# Altium PCB 通讯转换模块-V6.PcbDoc (part 1 of 2) (continued)
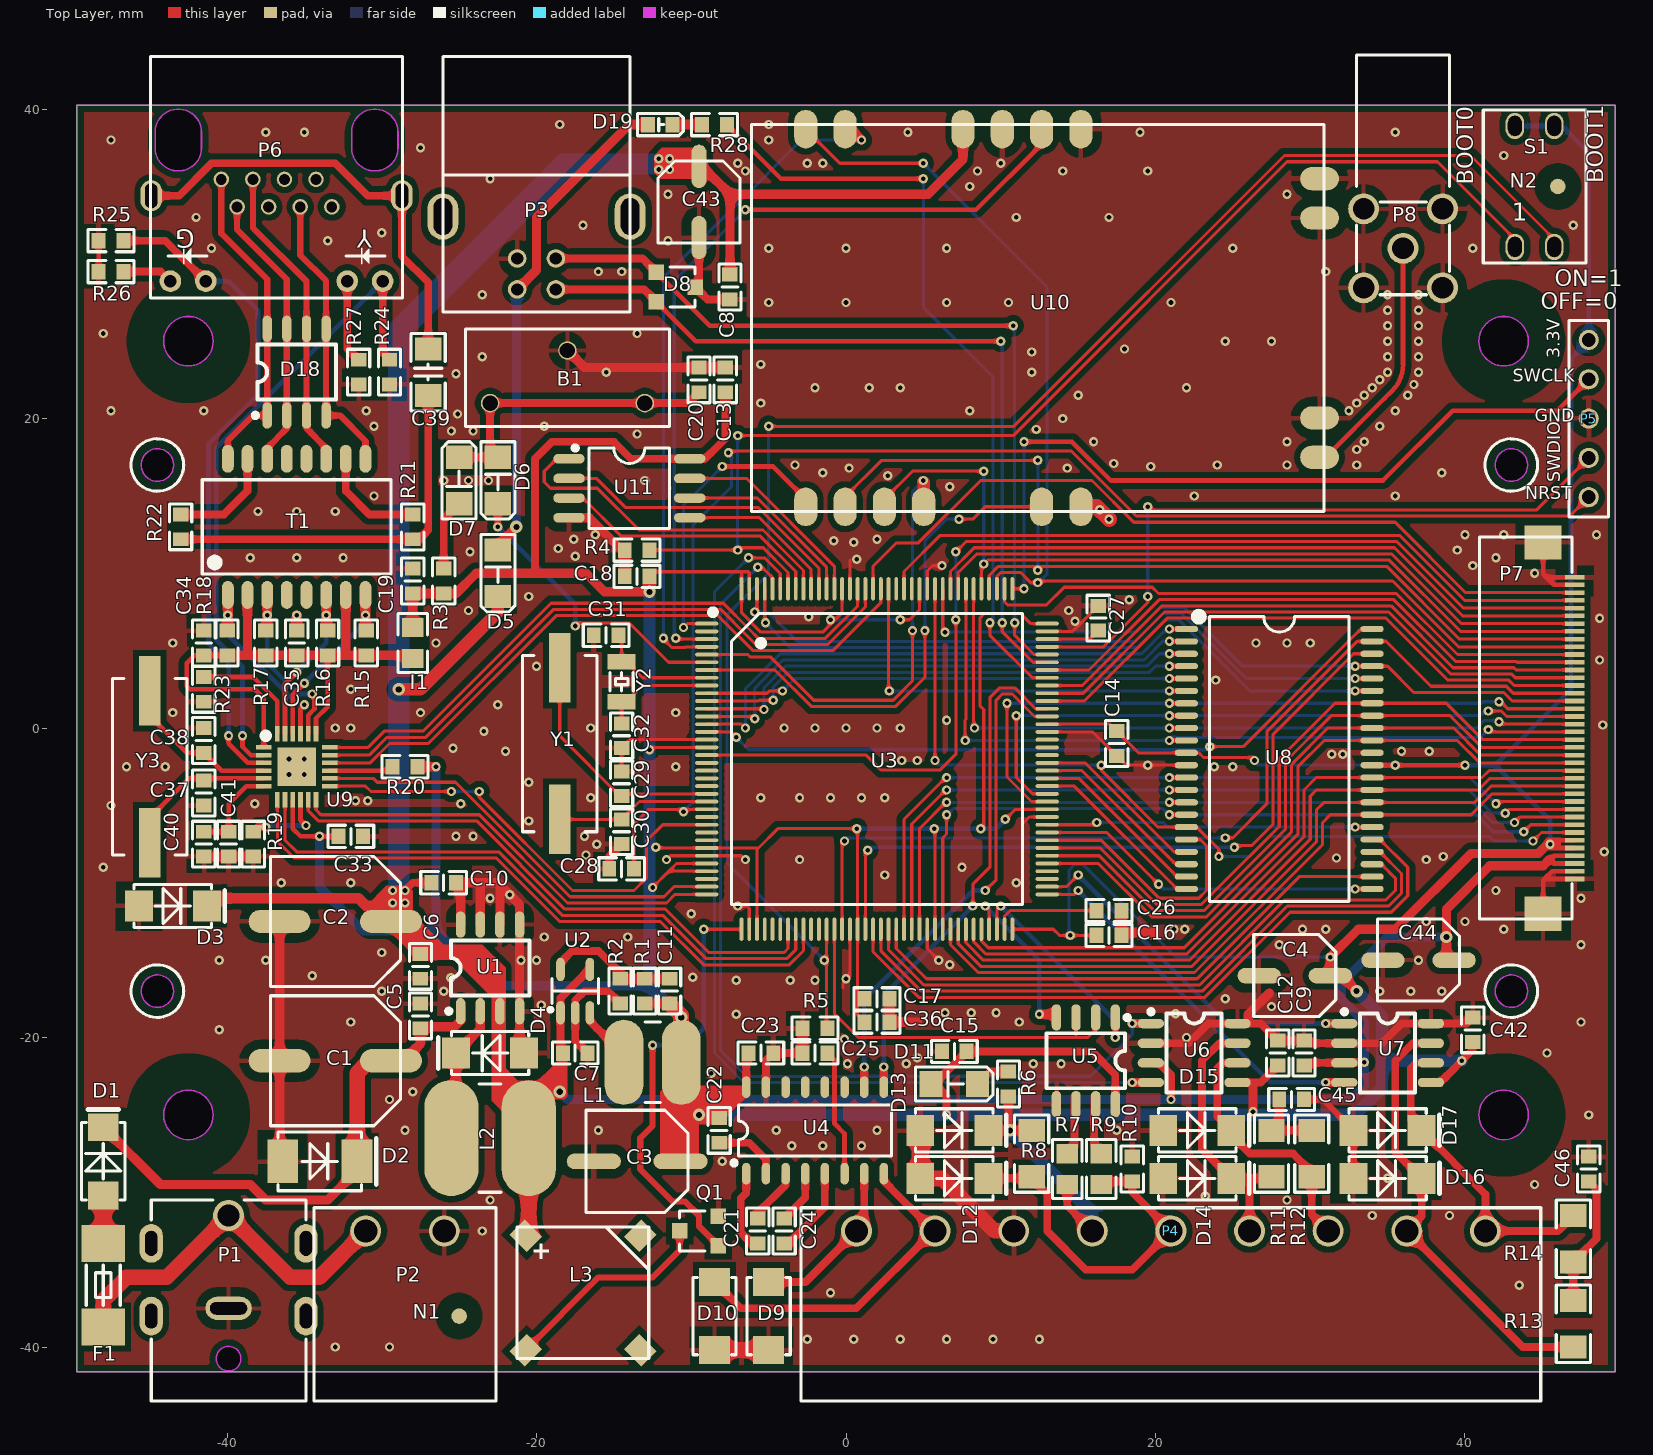
[diagram p0: Top Layer view]
## Footprints (in the part's own frame and the unit in brackets; to place one, negate y for a bottom-side part, rotate by r counter-clockwise, add the part's x,y. Pads: shape width x height; smd on the part's side, far side on the other; paste and mask are expansions set on the pad) (continued)
  oval 1.4x2 / inner oval 1.4x2 / far side oval 2x2.5 hole 0.8 slot 1.6 at 90 deg: 13(-8.1,3.6) 14(8.1,3.6)
  Keep-Out Layer board cut-out: 7.85,-0.5 7.85,0.5 7.701,1.151 7.285,1.673 6.684,1.962 6.016,1.962 5.415,1.673 4.999,1.151 4.85,0.5 4.85,0.5 4.85,-0.5 4.999,-1.151 5.415,-1.673 6.016,-1.962 6.684,-1.962 7.285,-1.673 7.701,-1.151 7.85,-0.5
  Keep-Out Layer board cut-out: -7.85,-0.5 -7.85,0.5 -7.701,1.151 -7.285,1.673 -6.684,1.962 -6.016,1.962 -5.415,1.673 -4.999,1.151 -4.85,0.5 -4.85,0.5 -4.85,-0.5 -4.999,-1.151 -5.415,-1.673 -6.016,-1.962 -6.684,-1.962 -7.285,-1.673 -7.701,-1.151 -7.85,-0.5
  Keep-Out Layer lines w0.1: 7.85,0.5 ccw(c6.35,0.5) 4.85,0.5 4.85,-0.5 ccw(c6.35,-0.5) 7.85,-0.5 7.85,0.5 ; -4.85,0.5 ccw(c-6.35,0.5) -7.85,0.5 -7.85,-0.5 ccw(c-6.35,-0.5) -4.85,-0.5 -4.85,0.5
  silkscreen extent -8.15,-5.4 8.15,10.2, body extent -8.75,-5.5 8.75,10.45, height 14.2
SMA [mm]
  rect 1.8x2 smd: 1(2.2,0) 2(-2.2,0)
  silkscreen extent -3.35,-1.4 2.5,1.4, body extent -2.75,-1.4 2.75,1.4, height 2.6
SMA-KWE [mm]
  round 2 hole 1.4: 1(0,0) 2(-2.55,-2.55) 2(-2.55,2.55) 2(2.55,-2.55) 2(2.55,2.55)
  silkscreen extent -3,-3 3,12.5, body extent -3.5,-3.5 3.5,11.6, height 9.86
SMA无极性 [mm]
  rect 1.8x2 smd: 1(-2.2,0) 2(2.2,0)
  silkscreen extent -2.5,-1.4 2.5,1.4, body extent -2.5,-1.35 2.5,1.35, height 2.2
SMB [mm]
  rect 2x2.8 smd: 1(2.4,0) 2(-2.4,0)
  silkscreen extent -3.65,-1.9 2.7,1.9, body extent -2.75,-1.95 2.75,1.95, height 2.45
SOIC-8-M [mil]
  oval 24x80 smd: 1(-75,-153.54) 2(-25,-153.54) 3(25,-153.54) 4(75,-153.54) 5(75,153.54) 6(25,153.54) 7(-25,153.54) 8(-75,153.54)
  silkscreen extent -108,-144 102,102, body extent -106,-165 106,165, height 91
SOP-8-N [mm]
  oval 0.61x1.7 smd: 1(-1.905,-2.8) 2(-0.635,-2.8) 3(0.635,-2.8) 4(1.905,-2.8) 5(1.905,2.8) 6(0.635,2.8) 7(-0.635,2.8) 8(-1.905,2.8)
  silkscreen extent -2.82,-2.94 2.54,1.78, body extent -2.45,-3 2.45,3, height 1.7
SOP-16-N [mm]
  oval 0.55x1.4 smd: 1(-4.445,-2.8) 2(-3.175,-2.8) 3(-1.905,-2.8) 4(-0.635,-2.8) 5(0.635,-2.8) 6(1.905,-2.8) 7(3.175,-2.8) 8(4.445,-2.8) 9(4.445,2.8) 10(3.175,2.8) 11(1.905,2.8) 12(0.635,2.8) 13(-0.635,2.8) 14(-1.905,2.8) 15(-3.175,2.8) 16(-4.445,2.8)
  silkscreen extent -5.38,-2.25 4.95,1.65, body extent -4.9,-2.9 4.9,2.9, height 1.75
SOT-23 [mm]
  rect 1x1 smd: 1(1.25,-0.95) 2(1.25,0.95) 3(-1.25,0)
  silkscreen extent -1.25,-1.3 0.38,1.3, body extent -1.4,-1.45 1.4,1.45, height 1.2
SOT-23-5-M [mm]
  oval 1.5x0.55 smd: 1(1.4,-0.95) 2(1.4,0) 3(1.4,0.95) 4(-1.4,0.95) 5(-1.4,-0.95)
  silkscreen extent -0.8,-1.7 1.3,1.5, body extent -1.4,-1.45 1.4,1.45, height 1.2
SW-红色拨码开关2P [mm]
  oval 1.2x1.7 / inner oval 1.2x1.7 / far side oval 1.6x2 hole 0.9 slot 1.3 at 90 deg: 1(-1.27,-3.91) 2(1.27,-3.91) 3(1.27,3.91) 4(-1.27,3.91)
  silkscreen extent -3.32,-4.95 3.32,4.95, body extent -3.3,-5.1 3.3,5.06, height 6.9
TQFP-144-L [mm]
  oval 0.25x1.5 smd: 1(-8.75,-11) 2(-8.25,-11) 3(-7.75,-11) 4(-7.25,-11) 5(-6.75,-11) 6(-6.25,-11) 7(-5.75,-11) 8(-5.25,-11) 9(-4.75,-11) 10(-4.25,-11) 11(-3.75,-11) 12(-3.25,-11) 13(-2.75,-11) 14(-2.25,-11) 15(-1.75,-11) 16(-1.25,-11) 17(-0.75,-11) 18(-0.25,-11) 19(0.25,-11) 20(0.75,-11) 21(1.25,-11) 22(1.75,-11) 23(2.25,-11) 24(2.75,-11) 25(3.25,-11) 26(3.75,-11) 27(4.25,-11) 28(4.75,-11) 29(5.25,-11) 30(5.75,-11) 31(6.25,-11) 32(6.75,-11) 33(7.25,-11) 34(7.75,-11) 35(8.25,-11) 36(8.75,-11) 73(8.75,11) 74(8.25,11) 75(7.75,11) 76(7.25,11) 77(6.75,11) 78(6.25,11) 79(5.75,11) 80(5.25,11) 81(4.75,11) 82(4.25,11) 83(3.75,11) 84(3.25,11) 85(2.75,11) 86(2.25,11) 87(1.75,11) 88(1.25,11) 89(0.75,11) 90(0.25,11) 91(-0.25,11) 92(-0.75,11) 93(-1.25,11) 94(-1.75,11) 95(-2.25,11) 96(-2.75,11) 97(-3.25,11) 98(-3.75,11) 99(-4.25,11) 100(-4.75,11) 101(-5.25,11) 102(-5.75,11) 103(-6.25,11) 104(-6.75,11) 105(-7.25,11) 106(-7.75,11) 107(-8.25,11) 108(-8.75,11)
  oval 1.5x0.25 smd: 37(11,-8.75) 38(11,-8.25) 39(11,-7.75) 40(11,-7.25) 41(11,-6.75) 42(11,-6.25) 43(11,-5.75) 44(11,-5.25) 45(11,-4.75) 46(11,-4.25) 47(11,-3.75) 48(11,-3.25) 49(11,-2.75) 50(11,-2.25) 51(11,-1.75) 52(11,-1.25) 53(11,-0.75) 54(11,-0.25) 55(11,0.25) 56(11,0.75) 57(11,1.25) 58(11,1.75) 59(11,2.25) 60(11,2.75) 61(11,3.25) 62(11,3.75) 63(11,4.25) 64(11,4.75) 65(11,5.25) 66(11,5.75) 67(11,6.25) 68(11,6.75) 69(11,7.25) 70(11,7.75) 71(11,8.25) 72(11,8.75) 109(-11,8.75) 110(-11,8.25) 111(-11,7.75) 112(-11,7.25) 113(-11,6.75) 114(-11,6.25) 115(-11,5.75) 116(-11,5.25) 117(-11,4.75) 118(-11,4.25) 119(-11,3.75) 120(-11,3.25) 121(-11,2.75) 122(-11,2.25) 123(-11,1.75) 124(-11,1.25) 125(-11,0.75) 126(-11,0.25) 127(-11,-0.25) 128(-11,-0.75) 129(-11,-1.25) 130(-11,-1.75) 131(-11,-2.25) 132(-11,-2.75) 133(-11,-3.25) 134(-11,-3.75) 135(-11,-4.25) 136(-11,-4.75) 137(-11,-5.25) 138(-11,-5.75) 139(-11,-6.25) 140(-11,-6.75) 141(-11,-7.25) 142(-11,-7.75) 143(-11,-8.25) 144(-11,-8.75)
  silkscreen extent -9.66,-10.78 9.4,9.4, body extent -11.01,-11.01 11.01,11.01, height 1.75
TSOP2-44-L [mm]
  oval 0.4x1.5 smd: 1(-8.401,-6) 2(-7.601,-6) 3(-6.801,-6) 4(-6.001,-6) 5(-5.201,-6) 6(-4.401,-6) 7(-3.6,-6) 8(-2.8,-6) 9(-2,-6) 10(-1.2,-6) 11(-0.4,-6) 12(0.4,-6) 13(1.2,-6) 14(2,-6) 15(2.8,-6) 16(3.6,-6) 17(4.401,-6) 18(5.201,-6) 19(6.001,-6) 20(6.801,-6) 21(7.601,-6) 22(8.401,-6) 23(8.401,6) 24(7.601,6) 25(6.801,6) 26(6.001,6) 27(5.201,6) 28(4.401,6) 29(3.6,6) 30(2.8,6) 31(2,6) 32(1.2,6) 33(0.4,6) 34(-0.4,6) 35(-1.2,6) 36(-2,6) 37(-2.8,6) 38(-3.6,6) 39(-4.401,6) 40(-5.201,6) 41(-6.001,6) 42(-6.801,6) 43(-7.601,6) 44(-8.401,6)
  silkscreen extent -9.7,-5.7 9.2,4.5, body extent -9.1,-5.87 9.1,5.88, height 1.3
USB1.1-插件-母座 [mm]
  round 1.2 / inner round 1.2 / far side round 1.5 hole 0.8: 1(-1.25,-2.355) 2(1.25,-2.355) 3(1.25,-0.355) 4(-1.25,-0.355)
  oval 2x3 / inner oval 2x3 / far side oval 2.5x3.5 hole 1.2 slot 2.4 at 90 deg: 5(-6.05,2.355) 5(6.05,2.355)
  silkscreen extent -6.05,-3.81 6.05,12.7, body extent -7.4,-3.81 7.4,12.69, height 11.2
"蜂鸣器 YH-8503-A" [mm]
  rect 1.6x1.4 smd rot 45: 1(-3.7,-3.7) 3(3.7,3.7)
  rect 1.6x1.4 smd rot 135: 2(3.7,-3.7) 4(-3.7,3.7)
  silkscreen extent -4.25,-4.25 4.25,4.25, body extent -4.25,-4.25 4.25,4.25, height 3
贴片固态电容5*5.3 [mm]
  oval 2.8x1 smd: 1(-2.3,0) 2(2.3,0)
  silkscreen extent -2.65,-2.65 2.65,2.65, body extent -2.95,-2.65 2.95,2.65, height 5.42
贴片固态电容6.3*7.7 [mm]
  oval 3.5x1 smd: 1(-2.8,0) 2(2.8,0)
  silkscreen extent -3.3,-3.3 3.3,3.3, body extent -3.5,-3.3 3.5,3.3, height 7.71
贴片固态电容8*10 [mm]
  oval 4x1.5 smd: 1(-3.6,0) 2(3.6,0)
  silkscreen extent -4.2,-4.2 4.2,4.2, body extent -4.95,-4.15 4.95,4.15, height 10.21

## Part data
B1: library part Battery1, "锂电池"
C1 C2 C3 C4 C43 C44: library part "Cap Pol1", "电解电容"
C5 C6 C7 C8 C9 C10 C11 C12 C13 C14 C15 C16 C17 C18 C19 C21 C22 C23 C24 C25 C39: library part Cap-0805, "0805"
C20 C26 C27 C28 C29 C30 C31 C32 C33 C34 C35 C36 C37 C38 C40 C41 C42 C45 C46: library part Cap-0603, "0805"
D1: "SMA"
D2 D3 D12 D13 D14 D15 D16 D17: library part TVS-1, "SMB"
D4 D5 D6 D7 D11: library part SS14, "SMA"
D8: library part ESDA5V3L, "ESD"
D9 D10: library part TVS-2, "SMB"
D19: library part LED-0603-Blue
F1: library part "Fuse 1", "Fuse"
I1: library part Inductance1
L1 L2: library part Inductance3
L3: "Electrical Bell"
N1 N2: library part 无引脚
P1: library part DC-007B
P2: library part "Header 2", "Header, 2-Pin"
P3: library part USB-4_A
P4: library part "Header 9", "Header, 9-Pin"
P5: library part "Header 5", "Header, 5-Pin"
P7: library part MHDR1X42
P8: library part 天线座
R1 R2 R3 R4 R5 R19 R20 R23 R24 R25 R26 R27 R28: library part Res2-0603, "0603"
R6 R7 R8 R9 R10 R11 R12 R13 R14 R15 R16 R17 R18: library part Res2, "Resistor"
R21 R22: library part Res2-0805, "0805"
U1: library part XL1509-ADJ, "开关电源 SOP-8"
U2: library part PAM2312, "开关电源 SOT-23-5"
U3: library part STM32F407ZET6
U5: library part MAX3082, "RS485总线转串口"
U9: "以太网PHY"
U10: "433模块"
U11: "SPI-FLASH"
Y1 Y2 Y3: library part 晶振

## Via types
v1: diameter 0.6, hole 0.3, Top Layer to Bottom Layer, tented both sides, 467 vias
v2: diameter 0.8, hole 0.4, Top Layer to Bottom Layer, tented both sides, 9 vias

## Nets (pads, with @x,y where several pads share a name; then routed paths per layer and width w, separated by ;. In a path a pad name is that pad's centre, name@x,y a point inside that pad or via, vN(x,y) a via of type N, cw(c..) or ccw(c..) an arc to the next point about the centre after c; other vN are vias at no path point)
1.2V: C40.2 C41.2 U9.6 | length 6.2
  Top Layer w0.3: C40.2@-41.5,-6.7 C41.2@-39.9,-6.7 -39.9,-4.9 -38.75,-3.75 U9.6@-37.625,-3.75
3.3V: C3.1 C4.1 C11.2 C12.2 C13.2 C14.2 C15.2 C16.2 C17.2 C18.2 C19.2 C22.2 C23.2 C33.2 C36.2 C42.2 D11.1 I1.2 L1.2 P5.1 P7.5 P7.6 R1.2 R3.2 R20.2 S1.3 S1.4 U3.17 U3.30 U3.32 U3.33 U3.39 U3.52 U3.62 U3.72 U3.84 U3.95 U3.108 U3.121 U3.131 U3.143 U3.144 U4.16 U5.8 U6.5 U7.5 U8.11 U8.33 U9.9 U11.8 | length 461
  Top Layer w0.2: v1(-12.7,-1.4) -12.55,-1.25 U3.17@-9,-1.25 ; C18.2@-12.7,9.8 -12.4,10.1 -6.3,10.1 -6.25,10.05 U3.143@-6.25,9 ; v1(-12.5,-10.3) -11.45,-9.25 ; v1@-12.35,-7.75 U3.30@-9,-7.75 -5.65,-7.75 -4.4,-6.5 v1(0.7,-6.5) 0.75,-6.55 U3.52@0.75,-13 0.75,-18.55 C36.2@1.2,-19 ; U3.33@-9,-9.25 -11.45,-9.25 ; U3.32@-9,-8.75 -10.95,-8.75 -11.45,-9.25 ; -6.75,10.05 U3.144@-6.75,9 -6.75,7.447 -6.747,7.447 -5.5,6.2 -1.5,6.2 -0.25,7.45 U3.131@-0.25,9 ; U3.39@-5.75,-13 -5.75,-7.85 ; v1(3.5,7) 4.1,7 4.75,7.65 U3.121@4.75,9 ; v1(5.7,-6.5) 5.75,-6.55 U3.62@5.75,-13 ; v1(8.7,-6.5) 8.9,-6.3 8.9,1.2 8.65,1.45 8.65,7.099 8.951,7.4 11.3,7.4 11.95,6.75 U3.108@13,6.75 ; v1(10.3,-5.9) 10.95,-5.25 U3.84@13,-5.25 ; U3.72@10.75,-13 13.4,-13 13.8,-13.4 v1(14.5,-13.4) C16.2@16.2,-13.4 ; U3.95@13,0.25 17.05,0.25 C14.2@17.5,-0.2 18.9,-1.6 U8.11@22,-1.6 22.8,-1.6 23.1,-1.9 26.2,-1.9 v1(26.4,-2.1)
  Top Layer w0.3: U9.9@-35.75,-4.625 -35.75,-6.5 -35.25,-7 v1(-34.025,-7) C33.2@-32.8,-7 ; U8.33@34,-2.4 v1(40,-2.4) ; P7.5@47.1,-7.75 45.75,-7.75 v1(45.5,-7.5) 45.75,-7.25 P7.6@47.1,-7.25
  Top Layer w0.5: -20.2,10 -20.1,10.1 -20.1,17.4 -19,18.5 -15,18.5 -13.905,17.405 U11.8@-10.1,17.405 -9.095,17.405 -7.8,18.7 C13.2@-7.8,21.7 ; R1.2@-13,-17.8 C11.2@-11.4,-17.8 ; L1.2@-10.65,-19.7 -10.65,-22 -10.65,-23.05 -8.5,-25.2 C22.2@-8.2,-25.2 -8.16,-25.2 -6.445,-23.485 U4.16@-6.445,-23.2 -6.445,-21.145 C23.2@-6.3,-21 ; v1(6.5,-24.992) 6.5,-23.8 5.7,-23 C15.2@7.8,-20.9 15.9,-20.9 17.405,-22.405 U5.8@17.405,-24.3 ; U6.5@25.3,-22.905 26.795,-22.905 C12.2@27.9,-21.8 ; U7.5@37.8,-22.905 38.395,-22.905 40.5,-20.8 C42.2@40.5,-20.3
  Top Layer w0.6: I1.2@-28,6.5 C19.2@-28,8.7 -25.2,8.7 -23.9,10 -20.2,10 -16.8,10 -15.6,8.8 v2(-12.7,8.8) ; R20.2@-27.7,-2.5 v1(-26.5,-2.5) ; v1(26.3,-24.8) 26.3,-23.1 ; v2(33,-17) 32,-16 C4.1@31.3,-16 v1(31.3,-14.8) 33.1,-13 35.5,-13 40.4,-8.1 44.731,-8.1 45.331,-7.5 v1(45.5,-7.5)
  Top Layer w0.8: v2(-12.7,8.8) C18.2@-12.7,9.8
  Top Layer w1: C11.2@-11.4,-17.8 -10.65,-18.55 v2(-10.65,-18.7) L1.2@-10.65,-19.7 ; L1.2@-10.65,-24.25 L1.2@-10.65,-23.05
  Bottom Layer w0.2: v1(-1,7) v1(3.5,7) ; v1(14.5,-13.4) 14.4,-13.3 14.4,-9.2 14.8,-8.8 15.3,-8.8 21.3,-14.8 v1(31.3,-14.8) ; v1(26.4,-2.1) 26.7,-2.4 v1(35.5,-2.4)
  Bottom Layer w0.3: v1(0.7,-6.5) v1(5.7,-6.5) 9.7,-6.5 v1(10.3,-5.9) ; v1(40,-2.4) 41.95,-2.4 ; S1.4@43.73,38.91 46.27,38.91 48,37.18 P5.1@48,25.08 48,25 46.85,23.85 46.85,2.5 41.95,-2.4 ; v1(45.5,-7.5) 45.5,-5.95 41.95,-2.4
  Bottom Layer w0.6: v1(-34.025,-7) -34.025,-10.275 -31.2,-13.1 -26.5,-13.1 ; v1(-26.5,-2.5) -26.5,-13.1 ; -12.7,-16.65 -22.95,-16.65 -26.5,-13.1
  Bottom Layer w0.8: v2(-12.7,8.8) v1(-12.7,-1.4) -12.7,-16.65 v2(-10.65,-18.7) ; v2(-9.5,-25) 32.9,-25 34.635,-23.265 34.635,-21.5 ; v2(33,-17) 34.635,-18.635 34.635,-21.5 ; v1(39.8,-21.5) 34.635,-21.5
  other v1: -12.3,-7.7
5V: C2.1 C6.2 C7.2 C8.2 C9.2 C10.2 C43.1 C44.1 D3.2 D5.2 L2.2 L3.1 P7.3 P7.4 U1.3 U2.1 U2.4 U6.3 U7.3 U10.13 | length 175
  Top Layer w0.3: P7.3@47.1,-8.75 45.75,-8.75 45.5,-8.5 45.75,-8.25 P7.4@47.1,-8.25
  Top Layer w0.5: v1(-28.5,-10.5) -28,-10 C10.2@-26.8,-10 ; C7.2@-18.3,-21 -18.45,-20.85 U2.1@-18.45,-18.4 -18.45,-17.45 -16.6,-15.6 U2.4@-16.55,-15.6 ; U6.3@19.7,-21.635 20.235,-21.635 21,-22.4 v1(21,-24) ; C9.2@29.6,-21.8 29.765,-21.635 U7.3@32.2,-21.635 32.235,-21.6 v1(33.5,-21.6)
  Top Layer w0.6: C2.1@-29.4,-12.5 -29.4,-12.8 -27.5,-14.7 -24.2,-14.7 -22.365,-16.535 U1.3@-22.365,-18.3 -22.365,-22.635 L2.2@-20.5,-24.5 ; L2.2@-20.5,-26.5 -20.5,-25.5 L2.2@-20.5,-24.5 ; C7.2@-18.3,-21 -18.3,-21.6 -20.5,-23.8 L2.2@-20.5,-24.5 ; C43.1@-9.5,36.3 -9.3,36.3 -7.5,34.5 ; C8.2@-7.5,29.3 -7.5,34.5 ; U10.13@7.56,38.7 7.56,36.76 5.3,34.5 -7.5,34.5 ; C44.1@38.8,-15 38.8,-11.7 41.6,-8.9 45.063,-8.9 45.463,-8.5 45.5,-8.5
  Top Layer w0.7: D3.2@-41.3,-11.5 -40.8,-11 -31.5,-11 -31,-11.5 -30.5,-11.5
  Top Layer w0.8: v2(-28.9,2.5) -27.5,2.5 -22.5,7.5 D5.2@-22.5,8.5
  Top Layer w1: L3.1@-20.7,-32.8 -20.5,-32.6 L2.2@-20.5,-26.5
  Bottom Layer w0.6: v2(-18.5,-23.5) -18,-24 v1(21,-24) 32.627,-24 33.5,-23.127 v1(33.5,-21.6) 33.5,-19 32,-17.5 32,-16.5 35,-13.5 v2(38.8,-13.5)
  other v1: -29.3,-11.3 -28.5,-11.3 -29.3,-10.5 -12.1,36.1 -11.4,36.1 -12.1,36.8 -11.4,36.8
485-A: D13.2 P4.4 R6.2 R7.1 R8.1 | length 17.4
  Top Layer w0.5: D13.2@9.2,-26 v2(10.6,-26) ; R6.2@10.5,-23.8 10.5,-25.9 v2(10.6,-26) ; R8.1@12,-26 v2(10.6,-26) ; R7.1@14.3,-29.5 14.3,-30.88 P4.4@15.92,-32.5
  Bottom Layer w0.8: v2(10.6,-26) 15.92,-31.32 P4.4@15.92,-32.5
485-B: D12.2 P4.5 R8.2 R9.1 R10.2 | length 23.1
  Top Layer w0.5: D12.2@9.2,-29.1 11.9,-29.1 R8.2@12,-29 12,-29.1 13,-30.1 13,-32.5 15.5,-35 18.5,-35 P4.5@21,-32.5 18.5,-30 R10.2@18.5,-29.3 16.7,-29.3 R9.1@16.5,-29.5
485-RE/DE: U3.49 U5.2 U5.3 | length 25.2
  Top Layer w0.2: U3.49@-0.75,-13 -0.75,-18.45 0.8,-20 15.622,-20 16.135,-19.487 U5.2@16.135,-18.7 ; 14.865,-19.935 U5.3@14.865,-18.7
485-RXD: U3.70 U5.1 | length 14.5
  Top Layer w0.2: U3.70@9.75,-13 9.75,-11.75 v1(10,-11.5)
  Top Layer w0.3: v1(17.405,-19.995) U5.1@17.405,-18.7
  Bottom Layer w0.3: v1(10,-11.5) 17.405,-18.905 v1(17.405,-19.995)
485-TXD: U3.69 U5.4 | length 11.2
  Top Layer w0.2: v1(9,-11.5) 9.25,-11.75 U3.69@9.25,-13
  Top Layer w0.6: v1(12.5,-18.5) 13.395,-18.5 U5.4@13.595,-18.7
  Bottom Layer w0.3: v1(9,-11.5) 12.5,-15 v1(12.5,-18.5)
BOOT0: R4.2 S1.1 U3.138 | length 78.5
  Top Layer w0.2: R4.2@-12.7,11.5 v1(-7,11.5) -6.849,11.651 -5.349,11.651 -3.75,10.053 U3.138@-3.75,9 ; v1(-7,18.9) 10.8,18.9 28.5,36.6 38.22,36.6 S1.1@43.73,31.09
  Bottom Layer w0.2: v1(-7,11.5) v1(-7,18.9)
BOOT1: R5.2 S1.2 U3.48 | length 105.6
  Top Layer w0.2: v1(-5,19.5) 10.834,19.5 28.334,37 40.36,37 S1.2@46.27,31.09 ; U3.48@-1.25,-13 -1.25,-19.35 R5.2@-1.2,-19.4
  Bottom Layer w0.2: v1(-5,19.5) -5,10 -7.7,7.3 -7.7,-8.7 v1(-1.4,-15)
CAN1-H: D14.2 P4.6 R11.1 U6.7 | length 17
  Top Layer w0.5: U6.7@25.3,-20.365 24.135,-20.365 23,-21.5 23,-27.2 D14.2@24.9,-29.1 27.4,-29.1 R11.1@27.5,-29 ; P4.6@26.08,-32.5 26.08,-29.32
CAN1-L: D15.2 P4.7 R12.2 U6.6 | length 16.6
  Top Layer w0.5: U6.6@25.3,-21.635 24.365,-21.635 24,-22 24,-25.1 D15.2@24.9,-26 24.9,-26.3 26.1,-27.5 28.9,-27.5 30.1,-28.7 R12.2@30.1,-29 30.1,-31.44 P4.7@31.16,-32.5
CAN1-RXD: U3.139 U6.4 | length 65.4
  Top Layer w0.2: v1(-6.3,11) -5.263,11 -4.25,9.987 U3.139@-4.25,9
  Top Layer w0.6: v1(18.5,-22.905) U6.4@19.7,-22.905
  Bottom Layer w0.2: v1(-6.3,11) -8.5,8.8 -8.5,-21 -6.595,-22.905 v1(18.5,-22.905)
CAN1-TXD: U3.140 U6.1 | length 64.4
  Top Layer w0.2: v1(-5.7,10.4) -5.424,10.4 -4.75,9.726 U3.140@-4.75,9
  Top Layer w0.6: v1(18.5,-19.095) U6.1@19.7,-19.095
  Bottom Layer w0.2: v1(-5.7,10.4) -8.1,8 -8.1,-20.834 -6.429,-22.505 0.295,-22.505 0.3,-22.5 15.8,-22.5 18.5,-19.8 v1@18.5,-19.2
CAN2-H: D16.2 P4.8 R13.1 U7.7 | length 28.7
  Top Layer w0.5: U7.7@37.8,-20.365 36.635,-20.365 35.5,-21.5 35.5,-27.4 D16.2@37.2,-29.1 37.2,-31.54 P4.8@36.24,-32.5 43.74,-40 R13.1@47,-40
CAN2-L: D17.2 P4.9 R14.2 U7.6 | length 20
  Top Layer w0.5: U7.6@37.8,-21.635 36.865,-21.635 36.5,-22 36.5,-25.3 D17.2@37.2,-26 41.32,-30.12 P4.9@41.32,-32.5 46,-32.5 R14.2@47,-31.5
CAN2-RXD: U3.73 U7.4 | length 24.4
  Top Layer w0.2: U3.73@13,-10.75 14.75,-10.75 v1(15,-10.5) ; U7.4@31.995,-22.905 U7.4@32.2,-22.905
  Top Layer w0.6: v1(31,-22.9) 31.005,-22.905 U7.4@31.995,-22.905
  Bottom Layer w0.3: v1(15,-10.5) 27.4,-22.9 v1(31,-22.9)
CAN2-TXD: U3.74 U7.1 | length 23.5
  Top Layer w0.2: U3.74@13,-10.25 14.25,-10.25 v1(15,-9.5) ; U7.1@31.995,-19.095 U7.1@32.2,-19.095
  Top Layer w0.6: v1(31,-19.09) 31.005,-19.095 U7.1@31.995,-19.095
  Bottom Layer w0.3: v1(15,-9.5) 24.59,-19.09 v1(31,-19.09)
CSR_DV: U3.43 U9.11 | length 36.9
  Top Layer w0.2: U9.11@-34.7,-4.675 U9.11@-34.75,-4.625 -34.75,-5.35 -34.1,-6 -23.869,-6 -18.169,-11.7 -11.669,-11.7 -8.869,-14.5 -4,-14.5 -3.75,-14.25 U3.43@-3.75,-13
ENP: U3.3 U10.15 | length 53
  Top Layer w0.2: v1(-11,5.8) -10.95,5.75 U3.3@-9,5.75
  Top Layer w0.3: v1(-6.5,33.5) 8.4,33.5 12.64,37.74 U10.15@12.64,38.2
  Bottom Layer w0.2: v1(-11,5.8) -11.1,5.9 -11.1,28.9 v1(-6.5,33.5)
ENT: U3.1 U10.8 | length 19.8
  Top Layer w0.2: v1(-10.5,6.5) -10.25,6.75 U3.1@-9,6.75
  Top Layer w0.3: v1(-8,16.9) -4.7,16.9 -2.6,14.8 U10.8@-2.6,14.3
  Bottom Layer w0.2: v1(-10.5,6.5) -10.5,14.4 v1(-8,16.9)
FSMC-A0: U3.10 U8.5 | length 31.4
  Top Layer w0.2: U3.10@-9,2.25 -5.099,2.25 -4.948,2.401 v1(-4.099,2.401) ; v1(20.9,3.201) U8.5@22,3.201
  Bottom Layer w0.2: v1(-4.099,2.401) -3.299,3.201 5.157,3.201 ; 5.157,3.2 v1(20.9,3.201)
FSMC-A1: U3.11 U8.4 | length 32.4
  Top Layer w0.2: U3.11@-9,1.75 -5.65,1.75 -5.6,1.8 v1(-4.7,1.8) ; v1(20.9,4.001) U8.4@22,4.001
  Bottom Layer w0.2: v1(-4.7,1.8) -4.7,2.649 -3.748,3.601 5.322,3.601 ; 5.323,3.6 19.599,3.6 20,4.001 v1(20.9,4.001)
FSMC-A2: U3.12 U8.3 | length 33.3
  Top Layer w0.2: U3.12@-9,1.25 -5.35,1.25 v1(-5.3,1.2) ; v1(20.9,4.801) U8.3@22,4.801
  Bottom Layer w0.2: v1(-5.3,1.2) -5.3,2.614 -3.914,4.001 5.488,4.001 ; 5.489,4 19.434,4 20.234,4.801 v1(20.9,4.801)
FSMC-A3: U3.13 U8.2 | length 34.3
  Top Layer w0.2: U3.13@-9,0.75 -6.05,0.75 v1(-5.9,0.6) ; v1(20.9,5.601) U8.2@22,5.601
  Bottom Layer w0.2: v1(-5.9,0.6) -5.9,2.58 -4.079,4.401 5.654,4.401 ; 5.654,4.4 19.268,4.4 20.469,5.601 v1(20.9,5.601)
FSMC-A4: U3.14 U8.1 | length 35.2
  Top Layer w0.2: U3.14@-9,0.25 -6.75,0.25 v1(-6.5,0) ; v1(20.9,6.401) U8.1@22,6.401
  Bottom Layer w0.2: v1(-6.5,0) -6.5,2.546 -4.245,4.801 5.819,4.801 ; 5.82,4.8 19.102,4.8 20.703,6.401 v1(20.9,6.401)
FSMC-A5: U3.15 U8.44 | length 46.7
  Top Layer w0.2: U3.15@-9,-0.25 -7.45,-0.25 v1(-7.1,-0.6) ; v1(23.5,-1.2) 25.669,-1.2 33.27,6.401 U8.44@34,6.401
  Bottom Layer w0.2: v1(-7.1,-0.6) -6.3,-1.4 8.049,-1.4 ; 8.049,-1.4 23.3,-1.4 v1(23.5,-1.2)
FSMC-A6: P7.25 U3.50 U8.43 | length 62
  Top Layer w0.2: U3.50@-0.25,-13 v1@-0.25,-7.45 ; v1(24.5,-7.1) 25,-7.1 27.2,-4.9 27.2,-0.234 33.035,5.601 U8.43@34,5.601 34.899,5.601 37.8,2.7 42.666,2.7 43.116,2.25 P7.25@47.1,2.25
  Bottom Layer w0.2: v1@0,-7.1 v1(24.5,-7.1)
  other v1: -0.1,-7.3
FSMC-A7: U3.53 U8.42 | length 46.2
  Top Layer w0.2: U3.53@1.25,-13 v1@1.25,-8.05 ; v1@25.1,-7.6 26.2,-7.6 27.6,-6.2 27.6,-0.4 32.801,4.801 U8.42@34,4.801
  Bottom Layer w0.2: v1@1.3,-7.7 v1(25.1,-7.7)
  other v1: 1.4,-7.9
FSMC-A8: U3.54 U8.27 | length 44.8
  Top Layer w0.2: U3.54@1.75,-13 1.75,-14.447 4.703,-17.4 23.188,-17.4 28.688,-11.9 35.231,-11.9 36.3,-10.831 36.3,-9 34.501,-7.201 U8.27@34,-7.201
FSMC-A9: U3.55 U8.26 | length 42.5
  Top Layer w0.2: U3.55@2.25,-13 2.25,-14.381 4.869,-17 23.023,-17 28.523,-11.5 35.066,-11.5 35.9,-10.666 35.9,-9.4 34.501,-8.001 U8.26@34,-8.001
FSMC-A10: U3.56 U8.25 | length 40.2
  Top Layer w0.2: U3.56@2.75,-13 2.75,-14.316 5.034,-16.6 22.857,-16.6 28.357,-11.1 34.9,-11.1 35.5,-10.5 35.5,-9.7 34.601,-8.801 U8.25@34,-8.801
FSMC-A11: U3.57 U8.24 | length 35.5
  Top Layer w0.2: U3.57@3.25,-13 3.25,-14.25 5.2,-16.2 22.691,-16.2 29.29,-9.601 U8.24@34,-9.601
FSMC-A12: U3.87 U8.22 | length 11.8
  Top Layer w0.2: U3.87@13,-3.75 14.75,-3.75 21.401,-10.401 U8.22@22,-10.401
FSMC-A13: U3.88 U8.21 | length 11.6
  Top Layer w0.2: U3.88@13,-3.25 15.05,-3.25 21.401,-9.601 U8.21@22,-9.601
FSMC-A14: U3.89 U8.20 | length 11.5
  Top Layer w0.2: U3.89@13,-2.75 15.25,-2.75 21.301,-8.801 U8.20@22,-8.801
FSMC-A15: U3.90 U8.19 | length 11.4
  Top Layer w0.2: U3.90@13,-2.25 15.45,-2.25 21.201,-8.001 U8.19@22,-8.001
FSMC-A16: U3.80 U8.18 | length 16.4
  Top Layer w0.2: U3.80@13,-7.25 16.501,-7.25 20.251,-11 22.8,-11 23.3,-10.5 23.3,-7.6 22.901,-7.201 U8.18@22,-7.201
FSMC-A17: U3.81 U8.23 | length 22.5
  Top Layer w0.2: U3.81@13,-6.75 16.85,-6.75 v1(20.2,-10.1) ; v1(32.9,-10.401) U8.23@34,-10.401
  Bottom Layer w0.2: v1(20.2,-10.1) 20.5,-10.4 v1(32.9,-10.401) v1(32.9,-10.401)
FSMC-A18: U3.82 U8.28 | length 21.1
  Top Layer w0.2: U3.82@13,-6.25 v1@16.2,-6.25 ; v1(32.9,-6.401) U8.28@34,-6.401
  Bottom Layer w0.2: v1(16.2,-6.1) 20.5,-6.1 20.801,-6.401 v1(32.9,-6.401)
FSMC-D0: P7.23 U3.85 U8.7 | length 46
  Top Layer w0.2: v1(10.4,1.6) 10.4,-3.166 11.984,-4.75 U3.85@13,-4.75 ; v1(20.9,1.6) U8.7@22,1.6 ; v1(42.2,1.7) 42.314,1.7 42.764,1.25 P7.23@47.1,1.25
  Bottom Layer w0.2: v1(10.4,1.6) v1(20.9,1.6) 41.05,1.6 41.15,1.7 v1(42.2,1.7)
FSMC-D1: P7.22 U3.86 U8.8 | length 43.8
  Top Layer w0.2: v1(11,0.8) 11,-3.2 12.05,-4.25 U3.86@13,-4.25 ; v1(20.9,0.8) U8.8@22,0.8 ; v1(41.5,1.1) 42.349,1.1 42.699,0.75 P7.22@47.1,0.75
  Bottom Layer w0.2: v1@11.1,0.8 v1(20.9,0.8) 40.986,0.8 41.286,1.1 v1(41.5,1.1)
FSMC-D2: P7.21 U3.114 U8.9 | length 49.2
  Top Layer w0.2: U3.114@8.25,9 8.25,0.05 v1(8.3,0) ; v1(20.9,0) U8.9@22,0 ; v1(42.2,0.4) 42.35,0.25 P7.21@47.1,0.25
  Bottom Layer w0.2: v1(8.3,0) v1(20.9,0) 40.752,0 41.251,0.5 42.1,0.5 v1(42.2,0.4)
FSMC-D3: P7.20 U3.115 U8.10 | length 50.7
  Top Layer w0.2: v1(7.7,-0.8) 7.7,0.5 7.75,0.55 U3.115@7.75,9 ; v1(20.9,-0.8) U8.10@22,-0.8 ; v1(41.5,-0.1) 41.65,-0.25 P7.20@47.1,-0.25
  Bottom Layer w0.2: v1(7.7,-0.8) v1(20.9,-0.8) 21.1,-0.6 41,-0.6 v1(41.5,-0.1)
FSMC-D4: P7.11 U3.58 U8.13 | length 53.3
  Top Layer w0.2: U3.58@3.75,-13 3.75,-5.901 6.451,-3.2 v1(6.5,-3.2) ; v1(20.9,-3.2) U8.13@22,-3.2 ; v1(42,-4.9) 42.15,-4.75 P7.11@46.95,-4.75
  Bottom Layer w0.2: v1(6.5,-3.2) v1(20.9,-3.2) 40.3,-3.2 v1(42,-4.9)